# Altium PCB Einsy_Rambo.PcbDoc (part 3 of 5)
Units mm, origin at the board's own origin, x right, y up, seen from the top; angles counter-clockwise.
Board outline 105 x 71 mm, 6 copper layers (Top, GND, Signal Layer 1, Supply, Signal Layer 2, Bottom), stack 1.571 mm thick; 439 components, 313 nets, 1472 pads, 965 vias.
Unrouted connection lines stored in the file: 3.
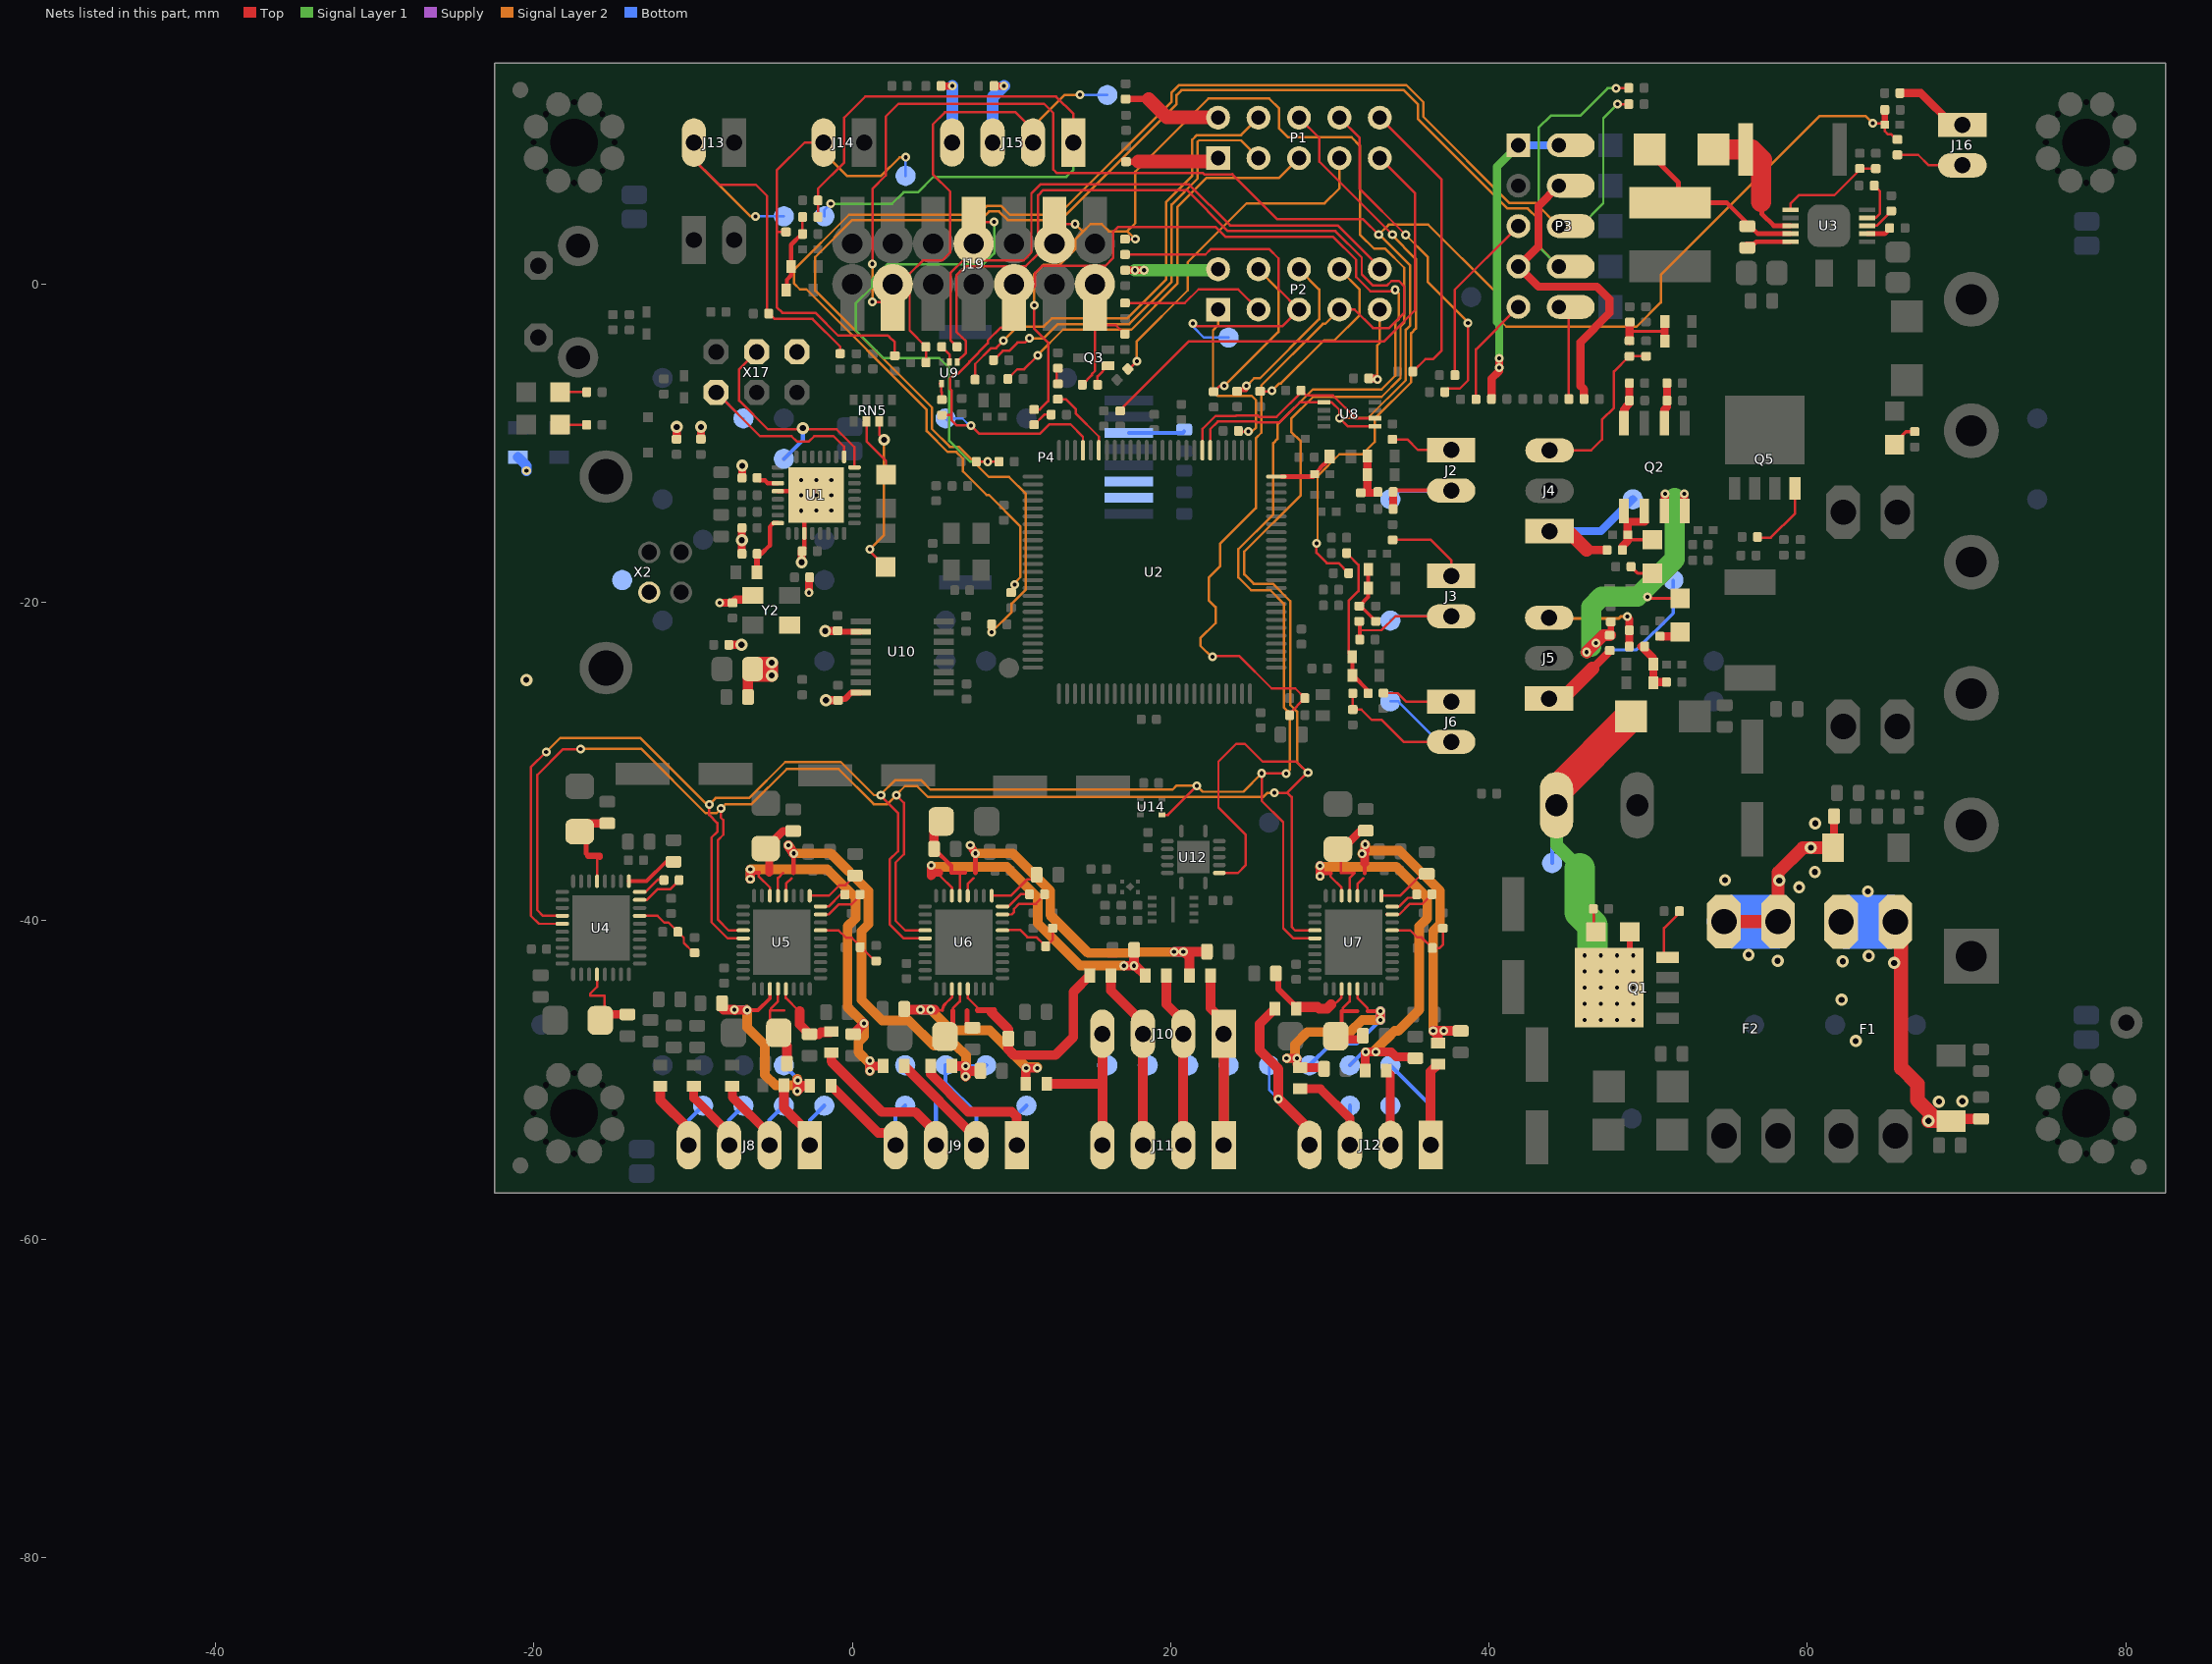
[diagram p7: the nets of this part, all layers, seen from the top]

## Via types
v1: diameter 0.559, hole 0.254, Top to Bottom, tented both sides, 359 vias
v2: diameter 0.559, hole 0.254, Top to Bottom, 326 vias
v3: diameter 0.762, hole 0.381, Top to Bottom, 230 vias
v4: diameter 0.762, hole 0.381, Top to Bottom, tented both sides, 42 vias
v5: diameter 0.737, hole 0.381, Top to Bottom, tented both sides, 4 vias
v6: diameter 0.813, hole 0.381, Top to Bottom, tented both sides, 4 vias

## Nets (pads, with @x,y where several pads share a name; then routed paths per layer and width w, separated by ;. In a path a pad name is that pad's centre, name@x,y a point inside that pad or via, vN(x,y) a via of type N, cw(c..) or ccw(c..) an arc to the next point about the centre after c; other vN are vias at no path point) (continued)
GND1: C2.1 C11.2 C12.2 C13.2 C14.2 C15.2 C16.2 C63.2 C67.1 C70.2 C74.2 JP4.1 R72.1 RV26.1 TP47.TP U1.3 U1.28 U1.33 U10.2 U10.8 X2.4 X17.6 Y2.2 Y2.4 | length 27.2
  Top w0.152: U1.33@-3.029,-14.027 v2(-2.267,-13.265) U1.33@-2.521,-13.011 ; v3@-1.679,-21.799 v3@-1.662,-21.782
  Top w0.279: U1.28@-4.68,-13.011 U1.33@-2.521,-13.011 ; C14.2@-3.029,-16.607 U1.33@-3.029,-14.027
  Top w0.381: C67.1@-0.946,-26.067 -0.464,-26.067 -0.056,-25.659 U10.8@0.521,-25.659 ; C70.2@-0.912,-21.874 -0.874,-21.837 U10.2@0.521,-21.837
  Top w0.508: C63.2@-11.042,-9.735 -11.03,-9.723 v4(-11.03,-8.973) ; R72.1@-9.518,-9.737 -9.506,-9.725 v4(-9.506,-8.973) ; v1(-8.338,-20.022) -7.525,-20.022 -7.322,-19.818 Y2.4@-5.975,-19.818 ; C11.2@-7.753,-22.663 v3(-6.966,-22.663) ; C74.2@-6.941,-16.948 v4(-6.941,-16.085) C15.2@-6.941,-15.323 ; C16.2@-6.941,-12.173 -6.915,-12.148 v3(-6.915,-11.411) ; v3(-3.181,-17.482) -3.181,-16.792 C14.2@-3.165,-16.776 ; v1(-2.724,-19.387) -2.724,-18.472 C12.2@-2.673,-18.421 ; v3@-1.679,-21.799 -0.946,-21.799 C70.2@-0.929,-21.782 ; v3(-1.654,-26.149) C67.1@-0.904,-26.149
  Top w0.635: RV26.1@-6.553,-25.94 -6.553,-24.187 C2.1@-6.27,-24.187
  Top w0.762: C2.1@-6.27,-24.594 v3(-5.061,-24.594) -5.061,-24.187 ; C2.1@-6.27,-24.187 -5.061,-24.187 ; C2.1@-6.27,-23.781 v3(-5.061,-23.781) -5.061,-24.187
  Bottom w0.635: JP4.1@-21.006,-10.882 -20.472,-11.415 v1(-20.472,-11.735)
  other v2: -3.217,-14.24 -2.267,-14.215 -1.317,-14.215 -3.212,-13.265 -1.317,-13.265 -2.267,-12.315 -1.317,-12.315 -3.224,-12.306
  other v3: -1.702,-21.793
  other v4: -20.479,-24.873
HEAT-0: R43.2 U2.7 U8.2 | length 13.6
  Top w0.152: U2.7@22.01,-10.091 22.01,-9.09 22.816,-8.284 24.096,-8.284 24.114,-8.266 25.479,-8.266 25.558,-8.344 26.657,-8.344 28.271,-6.73 28.531,-6.99 30.194,-6.99 31.633,-8.429 U8.2@32.842,-8.429
MISO: J19.9 R19.1 TP34.TP U2.22 U4.5 U5.5 U6.5 U7.5 U14.4 | length 192.5
  Top w0.152: v1(-19.234,-29.394) -20.199,-30.359 -20.199,-39.681 -19.689,-40.192 U4.5@-18.214,-40.192 ; v1(-8.992,-32.69) -8.992,-33.35 -8.484,-33.858 -8.484,-34.417 -8.842,-34.776 -8.842,-40.091 -7.827,-41.106 U5.5@-6.851,-41.106 ; v1(1.797,-32.112) 1.772,-32.137 2.864,-33.23 2.864,-35.643 2.343,-36.163 2.343,-40.227 3.222,-41.106 U6.5@4.579,-41.106 ; R19.1@5.625,-8.23 6.22,-8.23 6.25,-8.2 ; U2.22@14.487,-10.091 14.487,-9.587 13.701,-8.801 12.379,-8.801 11.777,-9.403 7.968,-9.403 v1(7.45,-8.885) 6.56,-8.885 6.25,-8.575 6.25,-8.2 ; U14.4@19.45,-33.35 19.825,-33.35 v1(21.65,-31.525) ; v1(27.25,-30.75) 25.733,-30.75 v1(25.724,-30.74) 25.724,-32.468 27.07,-33.814 27.07,-40.469 27.708,-41.106 U7.5@29.065,-41.106 ; v1(34.106,-0.362) 34.016,-0.452 32.552,-0.452 31.65,0.45 31.65,1.525 30.196,2.979 23.435,2.979 22.834,3.58 16.68,3.58 16.38,3.28 16.38,1.63 15.89,1.14 11.91,1.14 11.49,0.72 11.49,-0.092 10.16,-1.422 J19.9@10.16,-1.765 9.65,-2.275 9.65,-2.65 9.576,-2.724 9.326,-2.724 8.515,-3.535 8.515,-3.713 7.36,-4.869 7.36,-4.915 6.65,-5.625 6.425,-5.625 6.15,-5.9 6.15,-6.6 6.25,-6.7 6.25,-8.2
  Signal Layer 2 w0.152: v1(-19.234,-29.394) -18.345,-28.505 -13.329,-28.505 -9.144,-32.69 v1(-8.992,-32.69) -8.592,-32.29 -6.477,-32.29 -4.217,-30.029 -0.718,-30.029 1.365,-32.112 v1(1.797,-32.112) 1.797,-32.061 2.699,-31.16 4.299,-31.16 4.896,-31.756 20.125,-31.756 20.356,-31.525 v1(21.65,-31.525) 22.021,-31.896 24.568,-31.896 v1(25.724,-30.74) ; v1(27.25,-30.75) 27.5,-30.5 27.5,-26.97 27.113,-26.583 27.113,-20.077 26.27,-19.234 25.063,-19.234 24.251,-18.421 24.251,-16.659 26.442,-14.468 26.442,-9.993 26.712,-9.723 26.712,-8.837 28.923,-6.625 33.248,-6.625 34.112,-5.761 34.112,-2.413 34.341,-2.184 34.341,-0.597 v1(34.106,-0.362)
  Bottom w0.152: TP34.TP@6.039,-8.617 TP34.TP@5.861,-8.439 6.914,-8.439 v1@7.45,-8.975
MISO2: TP43.TP U1.17 X17.1 | length 12.8
  Top w0.152: X17.1@-8.553,-6.799 -5.804,-9.549 -3.825,-9.549 -3.486,-9.887 -2.732,-9.887 -2.394,-9.549 -1.18,-9.549 -0.517,-10.211 U1.17@-0.517,-10.852
  Bottom w0.152: X17.1@-8.553,-6.799 -6.913,-8.439 TP43.TP@-6.839,-8.439
MOSI: FB52.2 FB59.2 J19.12 U4.4 U5.4 U6.4 U7.4 U12.2 | length 203
  Top w0.152: U4.4@-18.214,-39.692 U4.4@-18.219,-39.692 -19.427,-39.692 -19.793,-39.326 -19.793,-30.842 -18.167,-29.216 v1(-17.075,-29.216) ; v1@-8.255,-32.969 -8.255,-33.528 -8.103,-33.68 -8.103,-34.595 -8.436,-34.928 -8.436,-39.938 -7.768,-40.606 U5.4@-6.856,-40.606 U5.4@-6.851,-40.606 ; v1(2.762,-32.112) 3.245,-32.595 3.245,-35.82 2.724,-36.341 2.724,-39.999 3.332,-40.606 U6.4@4.574,-40.606 U6.4@4.579,-40.606 ; FB59.2@11.42,-7.877 11.783,-7.877 12.31,-7.35 12.31,-3.685 11.43,-2.805 v1(11.43,-1.33) ; J19.12@12.7,4.305 13.235,3.77 v2(14,3.77) ; FB52.2@17.13,2.823 17.772,2.823 v1(17.775,2.82) ; U12.2@23.056,-37 24.225,-37 24.706,-36.519 24.706,-34.581 23,-32.875 23,-30 24.125,-28.875 24.65,-28.875 25.775,-30 27.904,-30 v1@28.594,-30.69 ; v1(26.511,-31.96) 27.324,-31.96 ; v1(28.63,-30.69) v1@28.594,-30.69 ; U7.4@29.065,-40.606 U7.4@29.06,-40.606 27.817,-40.606 27.598,-40.387 27.598,-32.234 27.324,-31.96 ; 27.324,-31.96 v1@28.594,-30.69
  Signal Layer 2 w0.152: v1(-17.075,-29.216) -17.05,-29.191 -13.271,-29.191 -9.214,-33.249 -8.534,-33.249 -7.982,-32.696 -6.356,-32.696 -4.121,-30.461 -0.87,-30.461 1.34,-32.671 2.203,-32.671 v1(2.762,-32.112) 2.762,-32.087 3.308,-31.541 4.07,-31.541 4.756,-32.226 25.813,-32.226 26.079,-31.96 v1(26.511,-31.96) ; v1(11.43,-1.33) 11.43,0.62 12.01,1.2 13.011,1.2 14,2.189 14,2.802 J19.12@14.483,3.285 ; v2(14,3.77) 14.483,3.287 J19.12@14.483,3.285 ; v1(17.775,2.82) 17.275,3.32 ; v1(28.63,-30.69) 28.594,-30.69 27.94,-30.036 27.94,-26.86 27.519,-26.439 27.519,-19.924 26.422,-18.828 25.216,-18.828 24.632,-18.244 24.632,-16.798 28.17,-13.26 28.17,-9.88 27.57,-9.28 27.57,-8.462 28.947,-7.085 33.255,-7.085 34.443,-5.897 34.443,-2.667 34.671,-2.438 34.671,1.029 33.48,2.22 32.79,2.22 31.89,3.12 31.89,8.701 31.371,9.22 27.38,9.22 26.819,9.781 26.819,11.031 26.18,11.67 22.38,11.67 17.775,7.065 17.775,3.82 17.275,3.32 ; J19.12@14.483,3.285 14.968,3.77 15.664,3.77 16.114,3.32 17.275,3.32
  other v1: -8.255,-32.944
MOSI2: TP42.TP U1.16 X17.4 | length 15.7
  Top w0.152: X17.4@-6.013,-4.259 -7.105,-5.352 -7.105,-7.319 -5.308,-9.117 -0.986,-9.117 0.133,-10.236 U1.16@0.133,-11.513
  Bottom w0.254: TP42.TP@-4.299,-10.979 -3.105,-9.785 v4(-3.105,-9.049)
nAC_FAULT: J19.3 R68.1 R69.2 RV27.2 U2.6 U8.1 U8.5 | length 122.5
  Top w0.152: J19.3@1.129,-1.13 J19.3@1.993,-1.13 ; v2(1.26,1.27) 1.26,5.984 2.108,6.833 2.108,10.541 2.896,11.328 12.04,11.328 12.62,10.748 12.62,7.207 12.857,6.97 22.034,6.97 22.115,6.889 23.846,6.889 23.871,6.914 26.71,4.075 32.095,4.075 v2(33.071,3.099) ; U2.6@22.493,-10.091 22.493,-9.11 22.963,-8.64 24.243,-8.64 24.262,-8.621 25.331,-8.621 25.41,-8.7 26.835,-8.7 28.106,-7.429 U8.5@29.642,-7.429 30.123,-7.429 30.604,-7.91 v1(30.604,-8.414) 31.119,-8.929 U8.1@32.842,-8.929 ; v2(64.103,10.103) RV27.2@64.865,10.103 ; RV27.2@64.865,10.01 64.865,9.605 65.06,9.41 65.28,9.41 65.607,9.083 R69.2@65.66,9.083
  Top w0.381: RV27.2@64.865,10.103 R68.1@64.865,10.952
  Signal Layer 2 w0.152: J19.3@1.129,-1.13 1.26,-0.841 v2(1.26,1.27) ; v1(30.604,-8.414) 32.393,-8.414 34.773,-6.034 34.773,-2.87 35.052,-2.591 35.052,1.168 33.122,3.099 v2(33.071,3.099) 33.699,3.727 36.183,3.727 40.354,-0.444 40.354,-1.937 41.091,-2.673 49.27,-2.673 50.794,-1.149 50.794,0.578 60.776,10.56 63.646,10.56 v2(64.103,10.103)
  other v2: 1.26,-1.11
NetC16_1: C16.1 U1.27 | length 1.4
  Top w0.279: C16.1@-5.983,-12.173 -5.831,-12.325 -5.493,-12.325 -5.315,-12.503 U1.27@-4.68,-12.503
NetC26_1: C26.1 FB3.2 U2.100 | length 3.9
  Top w0.254: C26.1@29.033,-11.944 29.386,-11.592 29.386,-11.558 29.579,-11.364 29.614,-11.364 FB3.2@30.151,-10.827
  Top w0.305: U2.100@26.988,-12.091 28.954,-12.091 C26.1@29.046,-11.999 ; FB3.2@29.986,-10.827 FB3.2@30.151,-10.827
NetC28_1: C28.1 U5.29 | length 3.4
  Top w0.152: U5.29@-2.676,-38.431 -1.474,-38.431 -0.813,-37.77 -0.438,-37.77 C28.1@0.171,-37.161
NetC29_1: C29.1 U5.28 | length 1.8
  Top w0.152: U5.28@-2.001,-39.106 U5.28@-1.996,-39.106 -1.484,-39.106 -0.739,-38.36 C29.1@-0.472,-38.36
NetC29_2: C29.2 U5.27 | length 3.2
  Top w0.152: U5.27@-2.001,-39.606 U5.27@-1.996,-39.606 -1.481,-39.606 -0.838,-38.964 -0.051,-38.964 C29.2@0.61,-38.303
NetC33_1: C33.1 U6.29 | length 3.4
  Top w0.152: U6.29@8.754,-38.431 9.956,-38.431 10.973,-37.414 11.283,-37.414 C33.1@11.582,-37.116
NetC34_1: C34.1 U6.28 | length 2
  Top w0.152: U6.28@9.429,-39.106 9.804,-39.106 10.575,-38.335 C34.1@11.126,-38.335
NetC34_2: C34.2 U6.27 | length 3.3
  Top w0.152: U6.27@9.429,-39.606 10.01,-39.606 10.163,-39.453 10.163,-39.249 10.481,-38.932 11.538,-38.932 12.084,-38.386 C34.2@12.084,-38.335
NetC37_1: C37.1 U7.29 | length 3
  Top w0.152: U7.29@33.24,-38.431 34.416,-38.431 35.661,-37.186 C37.1@35.741,-37.186
NetC38_1: C38.1 U7.28 | length 1.9
  Top w0.152: U7.28@33.92,-39.106 34.351,-39.106 34.9,-38.557 C38.1@35.636,-38.557
NetC38_2: C38.2 U7.27 | length 3.4
  Top w0.152: U7.27@33.569,-39.599 34.366,-39.599 35.033,-38.932 35.82,-38.932 C38.2@36.417,-38.335
NetC40_1: C40.1 U3.10 | length 2.8
  Top w0.279: C40.1@56.641,2.514 56.793,2.666
  Top w0.292: 56.793,2.666 U3.10@58.952,2.666
  Top w0.305: C40.1@56.178,2.514 C40.1@56.641,2.514
NetC40_2: C40.2 D9.C L1.1 U3.9 | length 12.1
  Top w0.279: 54.935,5.118 56.887,3.166
  Top w0.292: 56.887,3.166 U3.9@58.952,3.166
  Top w0.305: D9.C@49.81,8.477 51.911,6.376 51.911,5.118 54.935,5.118
NetC49_1: C49.1 U3.4 | length 2.8
  Top w0.152: U3.4@63.752,4.166 64.307,4.166 64.573,4.431 64.573,5.816 C49.1@64.197,6.191
NetC61_1: C61.1 R4.1 U5.25 | length 4
  Top w0.152: U5.25@-2.001,-40.606 -0.86,-40.606 -0.394,-41.072 -0.036,-41.072 R4.1@1.289,-42.396
NetC65_1: C65.1 FB9.1 TP2.TP U5.32 | length 30.9
  Top w0.152: U5.32@-4.176,-38.431 -4.162,-38.418 -4.162,-37.675 -3.812,-37.324
  Top w0.305: v1@-3.756,-35.719 -3.695,-35.78 -3.695,-36.989
  Top w0.61: v1(-4.02,-35.262) -3.698,-35.775 v1@-3.695,-35.78 ; FB9.1@6.253,-49.124 6.259,-49.13 v1(7.106,-49.13) 7.106,-49.454 ; v1(7.112,-49.784) 7.106,-49.778 7.106,-49.454 ; C65.1@8.051,-49.435 7.125,-49.435 7.106,-49.454
  Signal Layer 2 w0.61: v1(-4.02,-35.262) -3.685,-35.767 v1@-3.683,-35.77 ; v1(-3.689,-35.77) v1@-3.683,-35.77 ; v1(7.106,-49.13) 7.106,-49.727 v1@7.137,-49.759 ; v1(7.112,-49.784) v1@7.137,-49.759 ; v1@7.126,-49.13 v1@7.145,-49.759 ; v1@-3.683,-35.77 -1.353,-35.77 1.01,-38.132 1.01,-40.215 0.578,-40.646 0.578,-44.964 1.873,-46.26 3.55,-46.26 5.124,-47.835 6.505,-47.835 7.137,-48.467 v1@7.137,-49.759
  Bottom w0.254: v1(7.106,-49.13) 8.35,-49.13 TP2.TP@8.401,-49.079
NetC66_1: C66.1 FB10.1 U5.34 | length 25.4
  Top w0.152: -5.869,-36.989 -5.869,-37.223 -5.176,-37.915 U5.34@-5.176,-38.431
  Top w0.254: -6.407,-37.065 -6.331,-36.989 -5.869,-36.989
  Top w0.559: v1(-6.407,-37.395) -6.407,-37.065 v1(-6.407,-36.76) ; v2(1.092,-49.454) 1.092,-49.124 ; v2(1.092,-48.793) 1.092,-49.124 ; FB10.1@1.926,-49.124 1.092,-49.124
  Top w0.61: C66.1@0.051,-47.123 0.07,-47.123 v2(0.737,-46.457)
  Signal Layer 2 w0.559: v1(-6.407,-37.395) v1(-6.407,-36.76)
  Signal Layer 2 w0.61: v1(-6.407,-36.76) -1.581,-36.76 0.209,-38.551 0.209,-39.846 -0.299,-40.354 -0.299,-45.434 v2@0.73,-46.463 ; v2(0.737,-46.457) 0.737,-47.269 0.381,-47.625 0.381,-48.26 1.092,-48.971 v2(1.092,-49.454)
NetC71_2: C71.2 R7.1 U5.33 | length 5.4
  Top w0.152: U5.33@-4.676,-38.431 -4.676,-37.32 -4.345,-36.989
  Top w0.508: -5.219,-36.989 -5.219,-35.688 R7.1@-5.442,-35.464 -4.344,-34.367 C71.2@-3.715,-34.367
NetC72_1: C72.1 R8.1 U6.25 | length 5.4
  Top w0.152: U6.25@9.169,-40.564 10.541,-40.564 11.005,-41.027 ; 10.992,-41.027 11.005,-41.027 ; 11.43,-41.027 11.005,-41.027 ; C72.1@12.033,-41.711 C72.1@12.033,-41.492 ; R8.1@12.592,-40.466 12.592,-41.172 C72.1@12.153,-41.612 C72.1@12.033,-41.492 ; 11.005,-41.027 11.568,-41.027 C72.1@12.033,-41.492
NetC74_1: C74.1 FB5.2 U1.32 | length 4
  Top w0.279: C74.1@-5.983,-16.948 -5.721,-16.948 -5.188,-16.415 -5.188,-15.246 -4.957,-15.015 U1.32@-4.68,-15.015
  Top w0.381: FB5.2@-5.996,-18.117 -5.996,-16.961 C74.1@-5.983,-16.948
NetC75_1: C75.1 FB13.1 U6.32 | length 25.5
  Top w0.152: U6.32@7.254,-38.431 7.268,-38.418 7.268,-37.675 7.618,-37.324 ; v1@7.598,-35.643 7.674,-35.719 v1@7.618,-35.775
  Top w0.305: v1@7.674,-35.719 7.735,-35.78 7.735,-36.989
  Top w0.508: v1(7.41,-35.262) v1@7.674,-35.719
  Top w0.61: v1(20.212,-41.942) v1(20.796,-41.942) v1@20.822,-41.942 ; FB13.1@21.173,-43.44 21.173,-42.293 v1@20.822,-41.942 ; C75.1@22.275,-41.942 v1@20.822,-41.942
  Supply w0.61: v1@20.237,-41.942 v1(20.796,-41.942)
  Signal Layer 2 w0.508: v1(7.41,-35.262) 7.745,-35.767 v1@7.758,-35.787
  Signal Layer 2 w0.61: v1@7.745,-35.767 10.075,-35.767 ; 10.662,-36.354 10.075,-35.767 ; v1@20.771,-41.967 17.864,-41.967 17.8,-42.031 14.814,-42.031 12.44,-39.656 12.44,-38.132 10.075,-35.767
  other v1: 7.741,-35.77
NetC76_1: C76.1 R14.1 U7.25 | length 4.8
  Top w0.152: U7.25@33.915,-40.606 35.056,-40.606 35.503,-41.053 35.775,-41.053 C76.1@36.435,-41.713 36.9,-41.713 37.103,-41.51 R14.1@37.103,-40.466
NetC78_1: C78.1 FB17.1 U7.32 | length 22.9
  Top w0.152: U7.32@31.74,-38.431 31.753,-38.418 31.753,-37.675 32.104,-37.324 ; v1@32.007,-35.719 32.083,-35.643 32.129,-35.689 32.16,-35.719 v1@32.104,-35.775
  Top w0.254: 32.196,-37.014 32.201,-37.009 32.201,-36.379
  Top w0.559: 32.201,-36.379 32.201,-36.273 32.182,-36.254 32.182,-35.954 v1(32.023,-35.795) 32.129,-35.689 32.226,-35.592 v1(32.226,-35.211)
  Top w0.61: FB17.1@36.798,-47.678 36.798,-47.225 v1(36.493,-46.92) v1(37.154,-46.92) 38.215,-46.92 C78.1@38.221,-46.926
  Supply w0.559: v1(32.023,-35.795) 32.226,-35.592 v1(32.226,-35.211)
  Signal Layer 2 w0.61: v1(32.023,-35.795) 32.226,-35.592 ; v1(32.226,-35.211) 32.226,-35.592 ; v1@36.493,-46.946 v1(36.493,-46.92) ; v1(37.154,-46.92) v1(36.493,-46.92) ; 32.226,-35.592 34.385,-35.592 36.925,-38.132 36.925,-40.215 36.493,-40.646 v1(36.493,-46.92)
NetC80_1: C80.1 FB18.1 TP19.TP U7.34 | length 29.4
  Top w0.152: 30.047,-36.989 30.047,-37.014 30.047,-37.223 30.74,-37.915 U7.34@30.74,-38.431
  Top w0.254: v1(29.381,-37.192) 29.559,-37.014 30.047,-37.014
  Top w0.559: v1(29.381,-37.192) v1(29.381,-36.557) ; FB18.1@32.222,-49.409 32.222,-48.271 v1(32.252,-48.241) v1(32.887,-48.241) 33.852,-48.241 34.157,-48.546 35.286,-48.546 C80.1@35.376,-48.636
  Supply w0.559: v1(29.381,-37.192) v1@29.381,-36.532
  Signal Layer 2 w0.559: v1(29.381,-37.192) 29.381,-36.608 v1@29.381,-36.532 ; v1(32.252,-48.241) 32.734,-48.241 v1@32.81,-48.165
  Signal Layer 2 w0.61: v1@29.381,-36.608 34.182,-36.608 36.125,-38.551 36.125,-39.846 35.617,-40.354 35.617,-45.358 ; v1@32.81,-48.165 33.609,-47.367 33.623,-47.367 34.07,-46.92 34.3,-46.92 35.626,-45.594 35.626,-45.444 35.617,-45.434
  Bottom w0.254: TP19.TP@31.261,-49.079 32.099,-48.241 v1(32.252,-48.241)
NetC82_2: C82.2 R25.1 U7.33 | length 6.2
  Top w0.152: R25.1@30.55,-35.464 30.697,-35.612 30.697,-37.014 31.546,-37.014 31.24,-37.32 U7.33@31.24,-38.431
  Top w0.508: R25.1@30.55,-35.464 30.804,-35.464 31.918,-34.351 32.242,-34.351 C82.2@32.252,-34.341
NetC85_1: C85.1 F1.1 FB1.2 | length 21.7
  Top w0.635: FB1.2@69.166,-52.452 C85.1@70.91,-52.452
  Top w0.914: F1.1@65.881,-40.418 65.881,-49.251 65.913,-49.251 66.917,-50.255 66.917,-51.269 FB1.2@68.235,-52.587 ; v3(67.615,-52.578) 69.022,-52.578 FB1.2@69.031,-52.587
  Bottom w2.159: F1.1@62.422,-40.691 F1.1@65.126,-40.691 ; F1.1@62.625,-39.446 F1.1@65.329,-39.446
  other v3: 68.269,-51.365 69.742,-51.34 63.036,-47.555 62.147,-44.964 65.449,-42.653 62.224,-42.551 63.856,-42.215 63.798,-38.157
NetC87_1: C87.1 F2.1 FB2.2 | length 19.8
  Top w0.508: FB2.2@61.611,-35.414 61.671,-35.355 C87.1@61.671,-33.433
  Top w0.813: F2.1@54.755,-40.052 F2.1@58.158,-40.052 58.158,-36.965 59.709,-35.414 v3(60.217,-35.414) FB2.2@61.611,-35.414
  Bottom w2.159: F2.1@58.058,-39.453 55.354,-39.453 F2.1@54.755,-40.052 55.374,-40.672 F2.1@58.109,-40.672
  other v3: 58.134,-42.526 56.305,-42.145 59.48,-37.903 58.236,-37.471 54.832,-37.446 60.471,-36.938 60.496,-33.89
NetC90_1: C90.1 U4.29 | length 3.3
  Top w0.241: U4.29@-14.039,-37.517 -12.93,-37.517 -11.71,-36.297 C90.1@-11.233,-36.297
NetC91_1: C91.1 U4.28 | length 2.1
  Top w0.152: U4.28@-13.364,-38.192 -12.99,-38.192 -12.244,-37.446 ; C91.1@-11.962,-37.446 -12.244,-37.446 ; C91.1@-11.911,-37.395 -12.193,-37.395 -12.244,-37.446
NetC91_2: C91.2 U4.27 | length 3
  Top w0.152: U4.27@-13.364,-38.692 -13.363,-38.691 -12.91,-38.691 -12.249,-38.03 -11.462,-38.03 C91.2@-10.878,-37.446
NetC96_1: C96.1 R12.1 U4.25 | length 4.5
  Top w0.152: U4.25@-13.364,-39.692 -12.799,-39.692 -12.239,-39.692 -11.817,-40.113 -11.546,-40.113 -10.586,-41.073 -10.586,-41.393 R12.1@-10.014,-41.965
NetC99_2: C99.2 R17.1 U4.33 | length 5.9
  Top w0.152: R17.1@-16.725,-34.799 R17.1@-17.126,-34.398 R17.1@-16.613,-33.884 ; U4.33@-16.039,-37.517 -16.039,-36.166 -15.856,-35.982
  Top w0.305: -16.725,-35.79 R17.1@-16.725,-34.799
  Top w0.381: -16.593,-35.922 -15.856,-35.922 -15.856,-35.982
  Top w0.508: R17.1@-16.613,-33.884 C99.2@-15.399,-33.884
NetC102_2: C102.2 R18.1 U4.14 | length 5.6
  Top w0.152: U4.14@-16.039,-43.367 -16.039,-44.157 -16.471,-44.589 -16.471,-44.71 -15.571,-44.71 R18.1@-15.571,-46 ; R18.1@-15.831,-46.26 R18.1@-15.571,-46 ; R18.1@-15.456,-45.885 R18.1@-15.571,-46
  Top w0.508: R18.1@-15.456,-45.885 C102.2@-14.129,-45.885
NetC106_1: C106.1 FB11.1 U5.15 | length 4.9
  Top w0.152: U5.15@-4.176,-44.281 -4.176,-44.853 -3.364,-45.665 -3.298,-45.665
  Top w0.61: -3.302,-45.669 -3.302,-46.513 C106.1@-2.692,-47.123 -2.104,-47.123 -1.981,-47 -1.361,-47 FB11.1@-1.321,-46.96
NetC107_1: C107.1 FB12.1 TP53.TP U5.13 | length 16
  Top w0.241: v1(-6.61,-45.625) -5.925,-45.625 -5.176,-44.876 U5.13@-5.176,-44.281
  Top w0.559: v1@-7.372,-45.625 v1(-6.61,-45.625)
  Top w0.61: C107.1@-8.191,-45.498 -8.089,-45.599 v1(-7.398,-45.599) v1@-7.372,-45.625 ; v2(-3.429,-50.038) -3.429,-50.673 -3.124,-50.368 FB12.1@-2.672,-50.368
  Supply w0.559: v1(-7.398,-45.599) -6.636,-45.599 v1(-6.61,-45.625)
  Signal Layer 2 w0.559: v1(-7.398,-45.599) v1@-6.636,-45.599
  Signal Layer 2 w0.61: v1@-6.636,-45.599 v1(-6.61,-45.625) -6.61,-46.692 -5.496,-47.806 -5.496,-49.684 -4.83,-50.35 -3.454,-50.35 ; v2(-3.454,-50.698) -3.454,-50.35 ; v2@-3.454,-49.924 -3.454,-50.35